# Altium PCB top_LM_v2.PcbDoc (part 5 of 5)
Units mil, origin at the board's own origin, x right, y up, seen from the top; angles counter-clockwise.
Board outline 13413.03 x 6200.01 mil, 2 copper layers (Top Layer, Bottom Layer); 718 components, 600 nets, 1834 pads, 540 vias.
Unrouted connection lines stored in the file: 144.
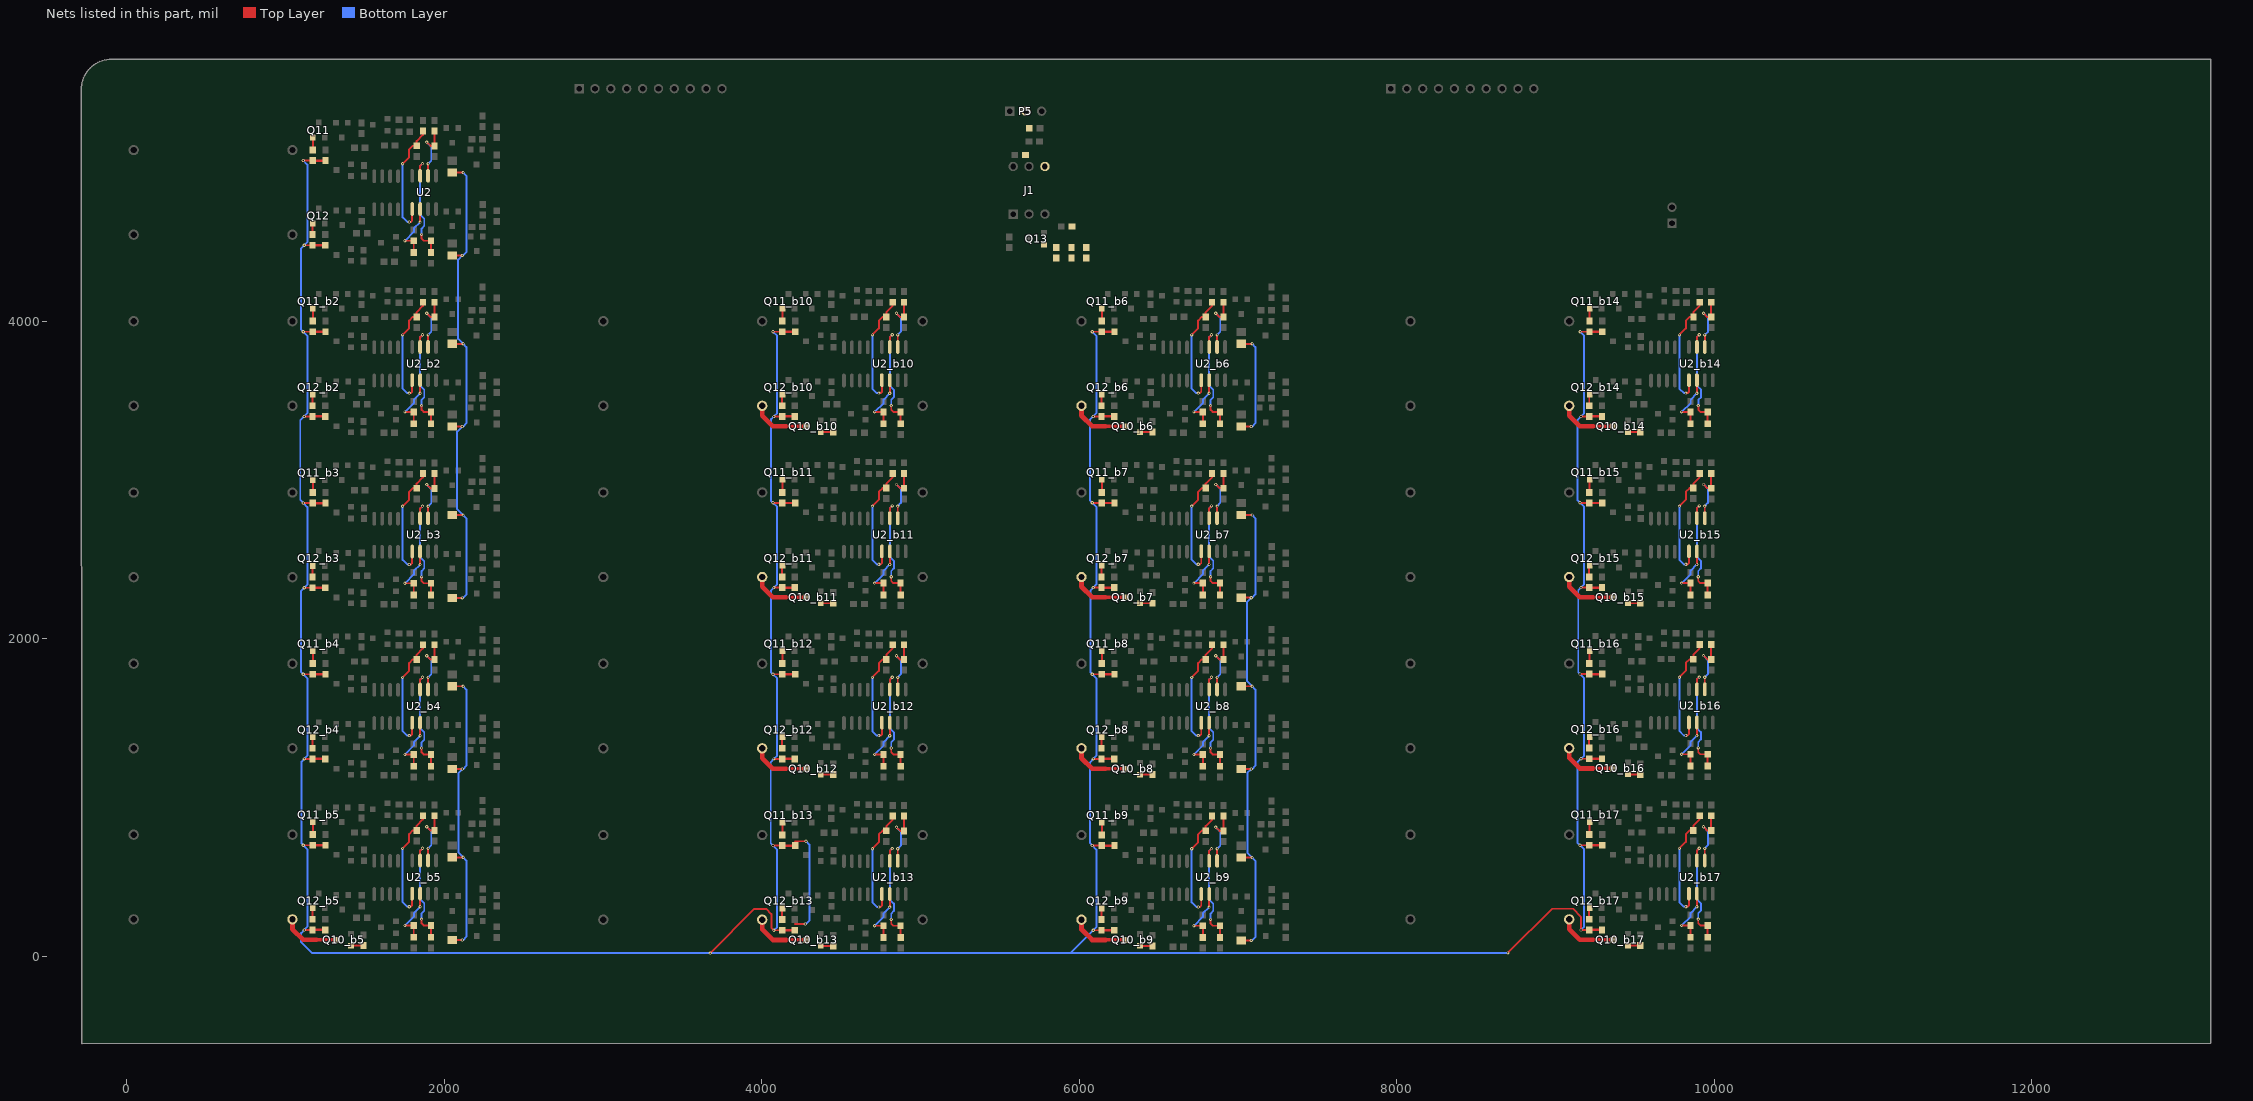
[diagram p5: the nets of this part, all layers, seen from the top]

## Via types
v1: diameter 20, hole 10, Top Layer to Bottom Layer, 453 vias
v2: diameter 40, hole 20, Top Layer to Bottom Layer, 51 vias
v3: diameter 30, hole 15, Top Layer to Bottom Layer, 34 vias
v4: diameter 125.98, hole 125.98, Top Layer to Bottom Layer, 2 vias

## Nets (pads, with @x,y where several pads share a name; then routed paths per layer and width w, separated by ;. In a path a pad name is that pad's centre, name@x,y a point inside that pad or via, vN(x,y) a via of type N, cw(c..) or ccw(c..) an arc to the next point about the centre after c; other vN are vias at no path point) (continued)
NetQ10_b5_1: Q10_b5.1 R23_b5.1 | length 78.1
  Top Layer w12: Q10_b5.1@1414.13,67.13 R23_b5.1@1492.19,67.13
NetQ10_b5_3: Q10_b5.3 R14_b5.1 | length 365.2
  Top Layer w22: 1196.87,104.54 Q10_b5.3@1321.61,104.53
  Top Layer w30: R14_b5.1@1045,232.26 1045,171.26 1111.72,104.54 1196.87,104.54
NetQ10_b6_1: Q10_b6.1 R23_b6.1 | length 78.1
  Top Layer w12: Q10_b6.1@6383.38,3301.13 R23_b6.1@6461.44,3301.13
NetQ10_b6_3: Q10_b6.3 R14_b6.1 | length 365.2
  Top Layer w22: 6166.12,3338.54 Q10_b6.3@6290.86,3338.54
  Top Layer w30: R14_b6.1@6014.25,3466.26 6014.25,3405.26 6080.98,3338.54 6166.12,3338.54
NetQ10_b7_1: Q10_b7.1 R23_b7.1 | length 78.1
  Top Layer w12: Q10_b7.1@6383.38,2223.13 R23_b7.1@6461.44,2223.13
NetQ10_b7_3: Q10_b7.3 R14_b7.1 | length 365.2
  Top Layer w22: 6166.12,2260.54 Q10_b7.3@6290.86,2260.53
  Top Layer w30: R14_b7.1@6014.25,2388.26 6014.25,2327.26 6080.98,2260.54 6166.12,2260.54
NetQ10_b8_1: Q10_b8.1 R23_b8.1 | length 78.1
  Top Layer w12: Q10_b8.1@6383.38,1144.13 R23_b8.1@6461.44,1144.13
NetQ10_b8_3: Q10_b8.3 R14_b8.1 | length 365.2
  Top Layer w22: 6166.12,1181.54 Q10_b8.3@6290.86,1181.54
  Top Layer w30: R14_b8.1@6014.25,1309.26 6014.25,1248.26 6080.98,1181.54 6166.12,1181.54
NetQ10_b9_1: Q10_b9.1 R23_b9.1 | length 78.1
  Top Layer w12: Q10_b9.1@6383.38,65.13 R23_b9.1@6461.44,65.13
NetQ10_b9_3: Q10_b9.3 R14_b9.1 | length 365.2
  Top Layer w22: 6166.12,102.54 Q10_b9.3@6290.86,102.53
  Top Layer w30: R14_b9.1@6014.25,230.26 6014.25,169.26 6080.98,102.54 6166.12,102.54
NetQ10_b10_1: Q10_b10.1 R23_b10.1 | length 78.1
  Top Layer w12: Q10_b10.1@4372.13,3301.13 R23_b10.1@4450.19,3301.13
NetQ10_b10_3: Q10_b10.3 R14_b10.1 | length 365.2
  Top Layer w22: 4154.87,3338.54 Q10_b10.3@4279.61,3338.53
  Top Layer w30: R14_b10.1@4003,3466.26 4003,3405.26 4069.72,3338.54 4154.87,3338.54
NetQ10_b11_1: Q10_b11.1 R23_b11.1 | length 78.1
  Top Layer w12: Q10_b11.1@4372.13,2223.13 R23_b11.1@4450.19,2223.13
NetQ10_b11_3: Q10_b11.3 R14_b11.1 | length 365.2
  Top Layer w22: 4154.87,2260.54 Q10_b11.3@4279.61,2260.54
  Top Layer w30: R14_b11.1@4003,2388.26 4003,2327.26 4069.72,2260.54 4154.87,2260.54
NetQ10_b12_1: Q10_b12.1 R23_b12.1 | length 78.1
  Top Layer w12: Q10_b12.1@4372.13,1144.13 R23_b12.1@4450.19,1144.13
NetQ10_b12_3: Q10_b12.3 R14_b12.1 | length 365.2
  Top Layer w22: 4154.87,1181.54 Q10_b12.3@4279.61,1181.54
  Top Layer w30: R14_b12.1@4003,1309.26 4003,1248.26 4069.72,1181.54 4154.87,1181.54
NetQ10_b13_1: Q10_b13.1 R23_b13.1 | length 78.1
  Top Layer w12: Q10_b13.1@4372.13,65.13 R23_b13.1@4450.19,65.13
NetQ10_b13_3: Q10_b13.3 R14_b13.1 | length 365.2
  Top Layer w22: 4154.87,102.54 Q10_b13.3@4279.61,102.54
  Top Layer w30: R14_b13.1@4003,230.26 4003,169.26 4069.72,102.54 4154.87,102.54
NetQ10_b14_1: Q10_b14.1 R23_b14.1 | length 78.1
  Top Layer w12: Q10_b14.1@9455.13,3301.13 R23_b14.1@9533.19,3301.13
NetQ10_b14_3: Q10_b14.3 R14_b14.1 | length 365.2
  Top Layer w22: 9237.87,3338.54 Q10_b14.3@9362.61,3338.54
  Top Layer w30: R14_b14.1@9086,3466.26 9086,3405.26 9152.72,3338.54 9237.87,3338.54
NetQ10_b15_1: Q10_b15.1 R23_b15.1 | length 78.1
  Top Layer w12: Q10_b15.1@9454.87,2223.13 R23_b15.1@9532.94,2223.13
NetQ10_b15_3: Q10_b15.3 R14_b15.1 | length 365.2
  Top Layer w22: 9237.61,2260.54 Q10_b15.3@9362.35,2260.54
  Top Layer w30: R14_b15.1@9085.75,2388.26 9085.75,2327.26 9152.47,2260.54 9237.61,2260.54
NetQ10_b16_1: Q10_b16.1 R23_b16.1 | length 78.1
  Top Layer w12: Q10_b16.1@9454.87,1145.13 R23_b16.1@9532.94,1145.13
NetQ10_b16_3: Q10_b16.3 R14_b16.1 | length 365.2
  Top Layer w22: 9237.61,1182.54 Q10_b16.3@9362.35,1182.54
  Top Layer w30: R14_b16.1@9085.75,1310.26 9085.75,1249.26 9152.47,1182.54 9237.61,1182.54
NetQ10_b17_1: Q10_b17.1 R23_b17.1 | length 78.1
  Top Layer w12: Q10_b17.1@9454.87,67.13 R23_b17.1@9532.94,67.13
NetQ10_b17_3: Q10_b17.3 R14_b17.1 | length 365.2
  Top Layer w22: 9237.61,104.54 Q10_b17.3@9362.35,104.54
  Top Layer w30: R14_b17.1@9085.75,232.26 9085.75,171.26 9152.47,104.54 9237.61,104.54
NetQ11_1: Q11.1 R39.2 | length 79.9
  Top Layer w12: R39.2@1172,5077.72 1173.6,5079.32 Q11.1@1173.6,5157
NetQ11_b2_1: Q11_b2.1 R39_b2.2 | length 79.9
  Top Layer w12: R39_b2.2@1172,3999.72 1173.6,4001.32 Q11_b2.1@1173.6,4079
NetQ11_b3_1: Q11_b3.1 R39_b3.2 | length 79.9
  Top Layer w12: R39_b3.2@1172,2920.72 1173.6,2922.32 Q11_b3.1@1173.6,3000
NetQ11_b4_1: Q11_b4.1 R39_b4.2 | length 79.9
  Top Layer w12: R39_b4.2@1172,1842.72 1173.6,1844.32 Q11_b4.1@1173.6,1922
NetQ11_b5_1: Q11_b5.1 R39_b5.2 | length 79.9
  Top Layer w12: R39_b5.2@1172,765.72 1173.6,767.32 Q11_b5.1@1173.6,845
NetQ11_b6_1: Q11_b6.1 R39_b6.2 | length 79.9
  Top Layer w12: R39_b6.2@6141.25,3999.72 6142.85,4001.32 Q11_b6.1@6142.85,4079
NetQ11_b7_1: Q11_b7.1 R39_b7.2 | length 79.9
  Top Layer w12: R39_b7.2@6141.25,2921.72 6142.85,2923.32 Q11_b7.1@6142.85,3001
NetQ11_b8_1: Q11_b8.1 R39_b8.2 | length 79.9
  Top Layer w12: R39_b8.2@6141.25,1842.72 6142.85,1844.32 Q11_b8.1@6142.85,1922
NetQ11_b9_1: Q11_b9.1 R39_b9.2 | length 79.9
  Top Layer w12: R39_b9.2@6141.25,763.72 6142.85,765.32 Q11_b9.1@6142.85,843
NetQ11_b10_1: Q11_b10.1 R39_b10.2 | length 79.9
  Top Layer w12: R39_b10.2@4130,3999.72 4131.6,4001.32 Q11_b10.1@4131.6,4079
NetQ11_b11_1: Q11_b11.1 R39_b11.2 | length 79.9
  Top Layer w12: R39_b11.2@4130,2921.72 4131.6,2923.32 Q11_b11.1@4131.6,3001
NetQ11_b12_1: Q11_b12.1 R39_b12.2 | length 79.9
  Top Layer w12: R39_b12.2@4130,1842.72 4131.6,1844.32 Q11_b12.1@4131.6,1922
NetQ11_b13_1: Q11_b13.1 R39_b13.2 | length 79.9
  Top Layer w12: R39_b13.2@4130,763.72 4131.6,765.32 Q11_b13.1@4131.6,843
NetQ11_b14_1: Q11_b14.1 R39_b14.2 | length 79.9
  Top Layer w12: R39_b14.2@9213,3999.72 9214.6,4001.32 Q11_b14.1@9214.6,4079
NetQ11_b15_1: Q11_b15.1 R39_b15.2 | length 79.9
  Top Layer w12: R39_b15.2@9212.75,2921.72 9214.35,2923.32 Q11_b15.1@9214.35,3001
NetQ11_b16_1: Q11_b16.1 R39_b16.2 | length 79.9
  Top Layer w12: R39_b16.2@9212.75,1843.72 9214.35,1845.32 Q11_b16.1@9214.35,1923
NetQ11_b17_1: Q11_b17.1 R39_b17.2 | length 79.9
  Top Layer w12: R39_b17.2@9212.75,765.72 9214.35,767.32 Q11_b17.1@9214.35,845
NetQ12_1: Q12.1 R41.1 | length 72.4
  Top Layer w12: R41.1@1171,4544.72 1171,4613.4 Q12.1@1173.6,4616
NetQ12_b2_1: Q12_b2.1 R41_b2.1 | length 72.4
  Top Layer w12: R41_b2.1@1171,3466.72 1171,3535.4 Q12_b2.1@1173.6,3538
NetQ12_b3_1: Q12_b3.1 R41_b3.1 | length 72.4
  Top Layer w12: R41_b3.1@1171,2387.72 1171,2456.4 Q12_b3.1@1173.6,2459
NetQ12_b4_1: Q12_b4.1 R41_b4.1 | length 72.4
  Top Layer w12: R41_b4.1@1171,1309.72 1171,1378.4 Q12_b4.1@1173.6,1381
NetQ12_b5_1: Q12_b5.1 R41_b5.1 | length 72.4
  Top Layer w12: R41_b5.1@1171,232.72 1171,301.4 Q12_b5.1@1173.6,304
NetQ12_b6_1: Q12_b6.1 R41_b6.1 | length 72.4
  Top Layer w12: R41_b6.1@6140.25,3466.72 6140.25,3535.4 Q12_b6.1@6142.85,3538
NetQ12_b7_1: Q12_b7.1 R41_b7.1 | length 72.4
  Top Layer w12: R41_b7.1@6140.25,2388.72 6140.25,2457.4 Q12_b7.1@6142.85,2460
NetQ12_b8_1: Q12_b8.1 R41_b8.1 | length 72.4
  Top Layer w12: R41_b8.1@6140.25,1309.72 6140.25,1378.4 Q12_b8.1@6142.85,1381
NetQ12_b9_1: Q12_b9.1 R41_b9.1 | length 72.4
  Top Layer w12: R41_b9.1@6140.25,230.72 6140.25,299.4 Q12_b9.1@6142.85,302
NetQ12_b10_1: Q12_b10.1 R41_b10.1 | length 72.4
  Top Layer w12: R41_b10.1@4129,3466.72 4129,3535.4 Q12_b10.1@4131.6,3538
NetQ12_b11_1: Q12_b11.1 R41_b11.1 | length 72.4
  Top Layer w12: R41_b11.1@4129,2388.72 4129,2457.4 Q12_b11.1@4131.6,2460
NetQ12_b12_1: Q12_b12.1 R41_b12.1 | length 72.4
  Top Layer w12: R41_b12.1@4129,1309.72 4129,1378.4 Q12_b12.1@4131.6,1381
NetQ12_b13_1: Q12_b13.1 R41_b13.1 | length 72.4
  Top Layer w12: R41_b13.1@4129,230.72 4129,299.4 Q12_b13.1@4131.6,302
NetQ12_b14_1: Q12_b14.1 R41_b14.1 | length 72.4
  Top Layer w12: R41_b14.1@9212,3466.72 9212,3535.4 Q12_b14.1@9214.6,3538
NetQ12_b15_1: Q12_b15.1 R41_b15.1 | length 72.4
  Top Layer w12: R41_b15.1@9211.75,2388.72 9211.75,2457.4 Q12_b15.1@9214.35,2460
NetQ12_b16_1: Q12_b16.1 R41_b16.1 | length 72.4
  Top Layer w12: R41_b16.1@9211.75,1310.72 9211.75,1379.4 Q12_b16.1@9214.35,1382
NetQ12_b17_1: Q12_b17.1 R41_b17.1 | length 72.4
  Top Layer w12: R41_b17.1@9211.75,232.72 9211.75,301.4 Q12_b17.1@9214.35,304
NetQ13_1: Q13.1 R28.2 R29.2 R30.2 R31.2
NetR43_2: R43.2 R44.1 U2.3 | length 718.1
  Top Layer w12: U2.3@1849,4915.02 1849,4977.26 v1(1864,4992.26) ; v1(1858,4546.26) 1858,4519.26 1871,4506.26 1916.54,4506.26 R43.2@1917,4505.8 R44.1@1917,4432.72
  Bottom Layer w12: v1(1858,4546.26) 1858,4582.26 1875,4599.26 1875,4645.26 1849,4671.26 1849,4977.26 v1(1864,4992.26)
NetR43_b2_2: R43_b2.2 R44_b2.1 U2_b2.3 | length 718.1
  Top Layer w12: U2_b2.3@1849,3837.02 1849,3899.26 v1(1864,3914.26) ; v1(1858,3468.26) 1858,3441.26 1871,3428.26 1916.54,3428.26 R43_b2.2@1917,3427.8 R44_b2.1@1917,3354.72
  Bottom Layer w12: v1(1858,3468.26) 1858,3504.26 1875,3521.26 1875,3567.26 1849,3593.26 1849,3899.26 v1(1864,3914.26)
NetR43_b3_2: R43_b3.2 R44_b3.1 U2_b3.3 | length 718.1
  Top Layer w12: U2_b3.3@1849,2758.02 1849,2820.26 v1(1864,2835.26) ; v1(1858,2389.26) 1858,2362.26 1871,2349.26 1916.54,2349.26 R43_b3.2@1917,2348.8 R44_b3.1@1917,2275.72
  Bottom Layer w12: v1(1858,2389.26) 1858,2425.26 1875,2442.26 1875,2488.26 1849,2514.26 1849,2820.26 v1(1864,2835.26)
NetR43_b4_2: R43_b4.2 R44_b4.1 U2_b4.3 | length 718.1
  Top Layer w12: U2_b4.3@1849,1680.02 1849,1742.26 v1(1864,1757.26) ; v1(1858,1311.26) 1858,1284.26 1871,1271.26 1916.54,1271.26 R43_b4.2@1917,1270.8 R44_b4.1@1917,1197.72
  Bottom Layer w12: v1(1858,1311.26) 1858,1347.26 1875,1364.26 1875,1410.26 1849,1436.26 1849,1742.26 v1(1864,1757.26)
NetR43_b5_2: R43_b5.2 R44_b5.1 U2_b5.3 | length 718.1
  Top Layer w12: U2_b5.3@1849,603.02 1849,665.26 v1(1864,680.26) ; v1(1858,234.26) 1858,207.26 1871,194.26 1916.54,194.26 R43_b5.2@1917,193.8 R44_b5.1@1917,120.72
  Bottom Layer w12: v1(1858,234.26) 1858,270.26 1875,287.26 1875,333.26 1849,359.26 1849,665.26 v1(1864,680.26)
NetR43_b6_2: R43_b6.2 R44_b6.1 U2_b6.3 | length 718.1
  Top Layer w12: U2_b6.3@6818.25,3837.02 6818.25,3899.26 v1(6833.25,3914.26) ; v1(6827.25,3468.26) 6827.25,3441.26 6840.25,3428.26 6885.79,3428.26 R43_b6.2@6886.25,3427.8 R44_b6.1@6886.25,3354.72
  Bottom Layer w12: v1(6827.25,3468.26) 6827.25,3504.26 6844.25,3521.26 6844.25,3567.26 6818.25,3593.26 6818.25,3899.26 v1(6833.25,3914.26)
NetR43_b7_2: R43_b7.2 R44_b7.1 U2_b7.3 | length 718.1
  Top Layer w12: U2_b7.3@6818.25,2759.02 6818.25,2821.26 v1(6833.25,2836.26) ; v1(6827.25,2390.26) 6827.25,2363.26 6840.25,2350.26 6885.79,2350.26 R43_b7.2@6886.25,2349.8 R44_b7.1@6886.25,2276.72
  Bottom Layer w12: v1(6827.25,2390.26) 6827.25,2426.26 6844.25,2443.26 6844.25,2489.26 6818.25,2515.26 6818.25,2821.26 v1(6833.25,2836.26)
NetR43_b8_2: R43_b8.2 R44_b8.1 U2_b8.3 | length 718.1
  Top Layer w12: U2_b8.3@6818.25,1680.02 6818.25,1742.26 v1(6833.25,1757.26) ; v1(6827.25,1311.26) 6827.25,1284.26 6840.25,1271.26 6885.79,1271.26 R43_b8.2@6886.25,1270.8 R44_b8.1@6886.25,1197.72
  Bottom Layer w12: v1(6827.25,1311.26) 6827.25,1347.26 6844.25,1364.26 6844.25,1410.26 6818.25,1436.26 6818.25,1742.26 v1(6833.25,1757.26)
NetR43_b9_2: R43_b9.2 R44_b9.1 U2_b9.3 | length 718.1
  Top Layer w12: U2_b9.3@6818.25,601.02 6818.25,663.26 v1(6833.25,678.26) ; v1(6827.25,232.26) 6827.25,205.26 6840.25,192.26 6885.79,192.26 R43_b9.2@6886.25,191.8 R44_b9.1@6886.25,118.72
  Bottom Layer w12: v1(6827.25,232.26) 6827.25,268.26 6844.25,285.26 6844.25,331.26 6818.25,357.26 6818.25,663.26 v1(6833.25,678.26)
NetR43_b10_2: R43_b10.2 R44_b10.1 U2_b10.3 | length 718.1
  Top Layer w12: U2_b10.3@4807,3837.02 4807,3899.26 v1(4822,3914.26) ; v1(4816,3468.26) 4816,3441.26 4829,3428.26 4874.54,3428.26 R43_b10.2@4875,3427.8 R44_b10.1@4875,3354.72
  Bottom Layer w12: v1(4816,3468.26) 4816,3504.26 4833,3521.26 4833,3567.26 4807,3593.26 4807,3899.26 v1(4822,3914.26)
NetR43_b11_2: R43_b11.2 R44_b11.1 U2_b11.3 | length 718.1
  Top Layer w12: U2_b11.3@4807,2759.02 4807,2821.26 v1(4822,2836.26) ; v1(4816,2390.26) 4816,2363.26 4829,2350.26 4874.54,2350.26 R43_b11.2@4875,2349.8 R44_b11.1@4875,2276.72
  Bottom Layer w12: v1(4816,2390.26) 4816,2426.26 4833,2443.26 4833,2489.26 4807,2515.26 4807,2821.26 v1(4822,2836.26)
NetR43_b12_2: R43_b12.2 R44_b12.1 U2_b12.3 | length 718.1
  Top Layer w12: U2_b12.3@4807,1680.02 4807,1742.26 v1(4822,1757.26) ; v1(4816,1311.26) 4816,1284.26 4829,1271.26 4874.54,1271.26 R43_b12.2@4875,1270.8 R44_b12.1@4875,1197.72
  Bottom Layer w12: v1(4816,1311.26) 4816,1347.26 4833,1364.26 4833,1410.26 4807,1436.26 4807,1742.26 v1(4822,1757.26)
NetR43_b13_2: R43_b13.2 R44_b13.1 U2_b13.3 | length 718.1
  Top Layer w12: U2_b13.3@4807,601.02 4807,663.26 v1(4822,678.26) ; v1(4816,232.26) 4816,205.26 4829,192.26 4874.54,192.26 R43_b13.2@4875,191.8 R44_b13.1@4875,118.72
  Bottom Layer w12: v1(4816,232.26) 4816,268.26 4833,285.26 4833,331.26 4807,357.26 4807,663.26 v1(4822,678.26)
NetR43_b14_2: R43_b14.2 R44_b14.1 U2_b14.3 | length 718.1
  Top Layer w12: U2_b14.3@9890,3837.02 9890,3899.26 v1(9905,3914.26) ; v1(9899,3468.26) 9899,3441.26 9912,3428.26 9957.54,3428.26 R43_b14.2@9958,3427.8 R44_b14.1@9958,3354.72
  Bottom Layer w12: v1(9899,3468.26) 9899,3504.26 9916,3521.26 9916,3567.26 9890,3593.26 9890,3899.26 v1(9905,3914.26)
NetR43_b15_2: R43_b15.2 R44_b15.1 U2_b15.3 | length 718.1
  Top Layer w12: U2_b15.3@9889.75,2759.02 9889.75,2821.26 v1(9904.75,2836.26) ; v1(9898.75,2390.26) 9898.75,2363.26 9911.75,2350.26 9957.28,2350.26 R43_b15.2@9957.75,2349.8 R44_b15.1@9957.75,2276.72
  Bottom Layer w12: v1(9898.75,2390.26) 9898.75,2426.26 9915.75,2443.26 9915.75,2489.26 9889.75,2515.26 9889.75,2821.26 v1(9904.75,2836.26)
NetR43_b16_2: R43_b16.2 R44_b16.1 U2_b16.3 | length 718.1
  Top Layer w12: U2_b16.3@9889.75,1681.02 9889.75,1743.26 v1(9904.75,1758.26) ; v1(9898.75,1312.26) 9898.75,1285.26 9911.75,1272.26 9957.28,1272.26 R43_b16.2@9957.75,1271.8 R44_b16.1@9957.75,1198.72
  Bottom Layer w12: v1(9898.75,1312.26) 9898.75,1348.26 9915.75,1365.26 9915.75,1411.26 9889.75,1437.26 9889.75,1743.26 v1(9904.75,1758.26)
NetR43_b17_2: R43_b17.2 R44_b17.1 U2_b17.3 | length 718.1
  Top Layer w12: U2_b17.3@9889.75,603.02 9889.75,665.26 v1(9904.75,680.26) ; v1(9898.75,234.26) 9898.75,207.26 9911.75,194.26 9957.28,194.26 R43_b17.2@9957.75,193.8 R44_b17.1@9957.75,120.72
  Bottom Layer w12: v1(9898.75,234.26) 9898.75,270.26 9915.75,287.26 9915.75,333.26 9889.75,359.26 9889.75,665.26 v1(9904.75,680.26)
NetR45_2: R45.2 R46.1 U2.2 | length 382.9
  Top Layer w12: v1(1891,5127.26) 1914.54,5103.72 R46.1@1939,5103.72 R45.2@1939,5196.8 ; U2.2@1899,4915.02 v1(1899,4991.26)
  Bottom Layer w12: v1(1891,5127.26) 1919,5099.26 1919,5011.26 v1(1899,4991.26)
NetR45_b2_2: R45_b2.2 R46_b2.1 U2_b2.2 | length 382.9
  Top Layer w12: v1(1891,4049.26) 1914.54,4025.72 R46_b2.1@1939,4025.72 R45_b2.2@1939,4118.8 ; U2_b2.2@1899,3837.02 v1(1899,3913.26)
  Bottom Layer w12: v1(1891,4049.26) 1919,4021.26 1919,3933.26 v1(1899,3913.26)
NetR45_b3_2: R45_b3.2 R46_b3.1 U2_b3.2 | length 382.9
  Top Layer w12: v1(1891,2970.26) 1914.54,2946.72 R46_b3.1@1939,2946.72 R45_b3.2@1939,3039.8 ; U2_b3.2@1899,2758.02 v1(1899,2834.26)
  Bottom Layer w12: v1(1891,2970.26) 1919,2942.26 1919,2854.26 v1(1899,2834.26)
NetR45_b4_2: R45_b4.2 R46_b4.1 U2_b4.2 | length 382.9
  Top Layer w12: v1(1891,1892.26) 1914.54,1868.72 R46_b4.1@1939,1868.72 R45_b4.2@1939,1961.8 ; U2_b4.2@1899,1680.02 v1(1899,1756.26)
  Bottom Layer w12: v1(1891,1892.26) 1919,1864.26 1919,1776.26 v1(1899,1756.26)
NetR45_b5_2: R45_b5.2 R46_b5.1 U2_b5.2 | length 382.9
  Top Layer w12: v1(1891,815.26) 1914.54,791.72 R46_b5.1@1939,791.72 R45_b5.2@1939,884.8 ; U2_b5.2@1899,603.02 v1(1899,679.26)
  Bottom Layer w12: v1(1891,815.26) 1919,787.26 1919,699.26 v1(1899,679.26)
NetR45_b6_2: R45_b6.2 R46_b6.1 U2_b6.2 | length 382.9
  Top Layer w12: v1(6860.25,4049.26) 6883.79,4025.72 R46_b6.1@6908.25,4025.72 R45_b6.2@6908.25,4118.8 ; U2_b6.2@6868.25,3837.02 v1(6868.25,3913.26)
  Bottom Layer w12: v1(6860.25,4049.26) 6888.25,4021.26 6888.25,3933.26 v1(6868.25,3913.26)
NetR45_b7_2: R45_b7.2 R46_b7.1 U2_b7.2 | length 382.9
  Top Layer w12: v1(6860.25,2971.26) 6883.79,2947.72 R46_b7.1@6908.25,2947.72 R45_b7.2@6908.25,3040.8 ; U2_b7.2@6868.25,2759.02 v1(6868.25,2835.26)
  Bottom Layer w12: v1(6860.25,2971.26) 6888.25,2943.26 6888.25,2855.26 v1(6868.25,2835.26)
NetR45_b8_2: R45_b8.2 R46_b8.1 U2_b8.2 | length 382.9
  Top Layer w12: v1(6860.25,1892.26) 6883.79,1868.72 R46_b8.1@6908.25,1868.72 R45_b8.2@6908.25,1961.8 ; U2_b8.2@6868.25,1680.02 v1(6868.25,1756.26)
  Bottom Layer w12: v1(6860.25,1892.26) 6888.25,1864.26 6888.25,1776.26 v1(6868.25,1756.26)
NetR45_b9_2: R45_b9.2 R46_b9.1 U2_b9.2 | length 382.9
  Top Layer w12: v1(6860.25,813.26) 6883.79,789.72 R46_b9.1@6908.25,789.72 R45_b9.2@6908.25,882.8 ; U2_b9.2@6868.25,601.02 v1(6868.25,677.26)
  Bottom Layer w12: v1(6860.25,813.26) 6888.25,785.26 6888.25,697.26 v1(6868.25,677.26)
NetR45_b10_2: R45_b10.2 R46_b10.1 U2_b10.2 | length 382.9
  Top Layer w12: v1(4849,4049.26) 4872.54,4025.72 R46_b10.1@4897,4025.72 R45_b10.2@4897,4118.8 ; U2_b10.2@4857,3837.02 v1(4857,3913.26)
  Bottom Layer w12: v1(4849,4049.26) 4877,4021.26 4877,3933.26 v1(4857,3913.26)
NetR45_b11_2: R45_b11.2 R46_b11.1 U2_b11.2 | length 382.9
  Top Layer w12: v1(4849,2971.26) 4872.54,2947.72 R46_b11.1@4897,2947.72 R45_b11.2@4897,3040.8 ; U2_b11.2@4857,2759.02 v1(4857,2835.26)
  Bottom Layer w12: v1(4849,2971.26) 4877,2943.26 4877,2855.26 v1(4857,2835.26)
NetR45_b12_2: R45_b12.2 R46_b12.1 U2_b12.2 | length 382.9
  Top Layer w12: v1(4849,1892.26) 4872.54,1868.72 R46_b12.1@4897,1868.72 R45_b12.2@4897,1961.8 ; U2_b12.2@4857,1680.02 v1(4857,1756.26)
  Bottom Layer w12: v1(4849,1892.26) 4877,1864.26 4877,1776.26 v1(4857,1756.26)
NetR45_b13_2: R45_b13.2 R46_b13.1 U2_b13.2 | length 382.9
  Top Layer w12: v1(4849,813.26) 4872.54,789.72 R46_b13.1@4897,789.72 R45_b13.2@4897,882.8 ; U2_b13.2@4857,601.02 v1(4857,677.26)
  Bottom Layer w12: v1(4849,813.26) 4877,785.26 4877,697.26 v1(4857,677.26)
NetR45_b14_2: R45_b14.2 R46_b14.1 U2_b14.2 | length 382.9
  Top Layer w12: v1(9932,4049.26) 9955.54,4025.72 R46_b14.1@9980,4025.72 R45_b14.2@9980,4118.8 ; U2_b14.2@9940,3837.02 v1(9940,3913.26)
  Bottom Layer w12: v1(9932,4049.26) 9960,4021.26 9960,3933.26 v1(9940,3913.26)
NetR45_b15_2: R45_b15.2 R46_b15.1 U2_b15.2 | length 382.9
  Top Layer w12: v1(9931.75,2971.26) 9955.28,2947.72 R46_b15.1@9979.75,2947.72 R45_b15.2@9979.75,3040.8 ; U2_b15.2@9939.75,2759.02 v1(9939.75,2835.26)
  Bottom Layer w12: v1(9931.75,2971.26) 9959.75,2943.26 9959.75,2855.26 v1(9939.75,2835.26)
NetR45_b16_2: R45_b16.2 R46_b16.1 U2_b16.2 | length 382.9
  Top Layer w12: v1(9931.75,1893.26) 9955.28,1869.72 R46_b16.1@9979.75,1869.72 R45_b16.2@9979.75,1962.8 ; U2_b16.2@9939.75,1681.02 v1(9939.75,1757.26)
  Bottom Layer w12: v1(9931.75,1893.26) 9959.75,1865.26 9959.75,1777.26 v1(9939.75,1757.26)
NetR45_b17_2: R45_b17.2 R46_b17.1 U2_b17.2 | length 382.9
  Top Layer w12: v1(9931.75,815.26) 9955.28,791.72 R46_b17.1@9979.75,791.72 R45_b17.2@9979.75,884.8 ; U2_b17.2@9939.75,603.02 v1(9939.75,679.26)
  Bottom Layer w12: v1(9931.75,815.26) 9959.75,787.26 9959.75,699.26 v1(9939.75,679.26)
NetR47_2: R47.2 R48.1 U2.5 | length 759.5
  Top Layer w12: v1(1739,4991.26) 1780,5032.26 1780,5081.26 1803.46,5104.72 R48.1@1827,5104.72 1827,5133.26 1867,5173.26 R47.2@1867,5196.8 ; v1(1780,4624.26) 1791,4624.26 1799,4632.26 U2.5@1799,4706.05
  Bottom Layer w12: v1(1739,4991.26) 1739,4653.26 1768,4624.26 v1(1780,4624.26)
NetR47_b2_2: R47_b2.2 R48_b2.1 U2_b2.5 | length 759.5
  Top Layer w12: v1(1739,3913.26) 1780,3954.26 1780,4003.26 1803.46,4026.72 R48_b2.1@1827,4026.72 1827,4055.26 1867,4095.26 R47_b2.2@1867,4118.8 ; v1(1780,3546.26) 1791,3546.26 1799,3554.26 U2_b2.5@1799,3628.05
  Bottom Layer w12: v1(1739,3913.26) 1739,3575.26 1768,3546.26 v1(1780,3546.26)
NetR47_b3_2: R47_b3.2 R48_b3.1 U2_b3.5 | length 759.5
  Top Layer w12: v1(1739,2834.26) 1780,2875.26 1780,2924.26 1803.46,2947.72 R48_b3.1@1827,2947.72 1827,2976.26 1867,3016.26 R47_b3.2@1867,3039.8 ; v1(1780,2467.26) 1791,2467.26 1799,2475.26 U2_b3.5@1799,2549.05
  Bottom Layer w12: v1(1739,2834.26) 1739,2496.26 1768,2467.26 v1(1780,2467.26)
NetR47_b4_2: R47_b4.2 R48_b4.1 U2_b4.5 | length 759.5
  Top Layer w12: v1(1739,1756.26) 1780,1797.26 1780,1846.26 1803.46,1869.72 R48_b4.1@1827,1869.72 1827,1898.26 1867,1938.26 R47_b4.2@1867,1961.8 ; v1(1780,1389.26) 1791,1389.26 1799,1397.26 U2_b4.5@1799,1471.05
  Bottom Layer w12: v1(1739,1756.26) 1739,1418.26 1768,1389.26 v1(1780,1389.26)
NetR47_b5_2: R47_b5.2 R48_b5.1 U2_b5.5 | length 759.5
  Top Layer w12: v1(1739,679.26) 1780,720.26 1780,769.26 1803.46,792.72 R48_b5.1@1827,792.72 1827,821.26 1867,861.26 R47_b5.2@1867,884.8 ; v1(1780,312.26) 1791,312.26 1799,320.26 U2_b5.5@1799,394.05
  Bottom Layer w12: v1(1739,679.26) 1739,341.26 1768,312.26 v1(1780,312.26)
NetR47_b6_2: R47_b6.2 R48_b6.1 U2_b6.5 | length 759.5
  Top Layer w12: v1(6708.25,3913.26) 6749.25,3954.26 6749.25,4003.26 6772.72,4026.72 R48_b6.1@6796.25,4026.72 6796.25,4055.26 6836.25,4095.26 R47_b6.2@6836.25,4118.8 ; v1(6749.25,3546.26) 6760.25,3546.26 6768.25,3554.26 U2_b6.5@6768.25,3628.05
  Bottom Layer w12: v1(6708.25,3913.26) 6708.25,3575.26 6737.25,3546.26 v1(6749.25,3546.26)
NetR47_b7_2: R47_b7.2 R48_b7.1 U2_b7.5 | length 759.5
  Top Layer w12: v1(6708.25,2835.26) 6749.25,2876.26 6749.25,2925.26 6772.72,2948.72 R48_b7.1@6796.25,2948.72 6796.25,2977.26 6836.25,3017.26 R47_b7.2@6836.25,3040.8 ; v1(6749.25,2468.26) 6760.25,2468.26 6768.25,2476.26 U2_b7.5@6768.25,2550.05
  Bottom Layer w12: v1(6708.25,2835.26) 6708.25,2497.26 6737.25,2468.26 v1(6749.25,2468.26)
NetR47_b8_2: R47_b8.2 R48_b8.1 U2_b8.5 | length 759.5
  Top Layer w12: v1(6708.25,1756.26) 6749.25,1797.26 6749.25,1846.26 6772.72,1869.72 R48_b8.1@6796.25,1869.72 6796.25,1898.26 6836.25,1938.26 R47_b8.2@6836.25,1961.8 ; v1(6749.25,1389.26) 6760.25,1389.26 6768.25,1397.26 U2_b8.5@6768.25,1471.05
  Bottom Layer w12: v1(6708.25,1756.26) 6708.25,1418.26 6737.25,1389.26 v1(6749.25,1389.26)
NetR47_b9_2: R47_b9.2 R48_b9.1 U2_b9.5 | length 759.5
  Top Layer w12: v1(6708.25,677.26) 6749.25,718.26 6749.25,767.26 6772.72,790.72 R48_b9.1@6796.25,790.72 6796.25,819.26 6836.25,859.26 R47_b9.2@6836.25,882.8 ; v1(6749.25,310.26) 6760.25,310.26 6768.25,318.26 U2_b9.5@6768.25,392.05
  Bottom Layer w12: v1(6708.25,677.26) 6708.25,339.26 6737.25,310.26 v1(6749.25,310.26)
NetR47_b10_2: R47_b10.2 R48_b10.1 U2_b10.5 | length 759.5
  Top Layer w12: v1(4697,3913.26) 4738,3954.26 4738,4003.26 4761.46,4026.72 R48_b10.1@4785,4026.72 4785,4055.26 4825,4095.26 R47_b10.2@4825,4118.8 ; v1(4738,3546.26) 4749,3546.26 4757,3554.26 U2_b10.5@4757,3628.05
  Bottom Layer w12: v1(4697,3913.26) 4697,3575.26 4726,3546.26 v1(4738,3546.26)
NetR47_b11_2: R47_b11.2 R48_b11.1 U2_b11.5 | length 759.5
  Top Layer w12: v1(4697,2835.26) 4738,2876.26 4738,2925.26 4761.46,2948.72 R48_b11.1@4785,2948.72 4785,2977.26 4825,3017.26 R47_b11.2@4825,3040.8 ; v1(4738,2468.26) 4749,2468.26 4757,2476.26 U2_b11.5@4757,2550.05
  Bottom Layer w12: v1(4697,2835.26) 4697,2497.26 4726,2468.26 v1(4738,2468.26)
NetR47_b12_2: R47_b12.2 R48_b12.1 U2_b12.5 | length 759.5
  Top Layer w12: v1(4697,1756.26) 4738,1797.26 4738,1846.26 4761.46,1869.72 R48_b12.1@4785,1869.72 4785,1898.26 4825,1938.26 R47_b12.2@4825,1961.8 ; v1(4738,1389.26) 4749,1389.26 4757,1397.26 U2_b12.5@4757,1471.05
  Bottom Layer w12: v1(4697,1756.26) 4697,1418.26 4726,1389.26 v1(4738,1389.26)
NetR47_b13_2: R47_b13.2 R48_b13.1 U2_b13.5 | length 759.5
  Top Layer w12: v1(4697,677.26) 4738,718.26 4738,767.26 4761.46,790.72 R48_b13.1@4785,790.72 4785,819.26 4825,859.26 R47_b13.2@4825,882.8 ; v1(4738,310.26) 4749,310.26 4757,318.26 U2_b13.5@4757,392.05
  Bottom Layer w12: v1(4697,677.26) 4697,339.26 4726,310.26 v1(4738,310.26)
NetR47_b14_2: R47_b14.2 R48_b14.1 U2_b14.5 | length 759.5
  Top Layer w12: v1(9780,3913.26) 9821,3954.26 9821,4003.26 9844.46,4026.72 R48_b14.1@9868,4026.72 9868,4055.26 9908,4095.26 R47_b14.2@9908,4118.8 ; v1(9821,3546.26) 9832,3546.26 9840,3554.26 U2_b14.5@9840,3628.05
  Bottom Layer w12: v1(9780,3913.26) 9780,3575.26 9809,3546.26 v1(9821,3546.26)
NetR47_b15_2: R47_b15.2 R48_b15.1 U2_b15.5 | length 759.5
  Top Layer w12: v1(9779.75,2835.26) 9820.75,2876.26 9820.75,2925.26 9844.21,2948.72 R48_b15.1@9867.75,2948.72 9867.75,2977.26 9907.75,3017.26 R47_b15.2@9907.75,3040.8 ; v1(9820.75,2468.26) 9831.75,2468.26 9839.75,2476.26 U2_b15.5@9839.75,2550.05
  Bottom Layer w12: v1(9779.75,2835.26) 9779.75,2497.26 9808.75,2468.26 v1(9820.75,2468.26)
NetR47_b16_2: R47_b16.2 R48_b16.1 U2_b16.5 | length 759.5
  Top Layer w12: v1(9779.75,1757.26) 9820.75,1798.26 9820.75,1847.26 9844.21,1870.72 R48_b16.1@9867.75,1870.72 9867.75,1899.26 9907.75,1939.26 R47_b16.2@9907.75,1962.8 ; v1(9820.75,1390.26) 9831.75,1390.26 9839.75,1398.26 U2_b16.5@9839.75,1472.05
  Bottom Layer w12: v1(9779.75,1757.26) 9779.75,1419.26 9808.75,1390.26 v1(9820.75,1390.26)
NetR47_b17_2: R47_b17.2 R48_b17.1 U2_b17.5 | length 759.5
  Top Layer w12: v1(9779.75,679.26) 9820.75,720.26 9820.75,769.26 9844.21,792.72 R48_b17.1@9867.75,792.72 9867.75,821.26 9907.75,861.26 R47_b17.2@9907.75,884.8 ; v1(9820.75,312.26) 9831.75,312.26 9839.75,320.26 U2_b17.5@9839.75,394.05
  Bottom Layer w12: v1(9779.75,679.26) 9779.75,341.26 9808.75,312.26 v1(9820.75,312.26)
NetR49_2: R49.2 R50.1 U2.6 | length 370.4
  Top Layer w12: v1(1753,4506.26) 1808.54,4506.26 R49.2@1809,4505.8 R50.1@1809,4431.72 ; v1(1849,4623.26) U2.6@1849,4706.05
  Bottom Layer w12: v1(1753,4506.26) 1754,4506.26 1810,4562.26 1810,4584.26 v1(1849,4623.26)
NetR49_b2_2: R49_b2.2 R50_b2.1 U2_b2.6 | length 370.4
  Top Layer w12: v1(1753,3428.26) 1808.54,3428.26 R49_b2.2@1809,3427.8 R50_b2.1@1809,3353.72 ; v1(1849,3545.26) U2_b2.6@1849,3628.05
  Bottom Layer w12: v1(1753,3428.26) 1754,3428.26 1810,3484.26 1810,3506.26 v1(1849,3545.26)
NetR49_b3_2: R49_b3.2 R50_b3.1 U2_b3.6 | length 370.4
  Top Layer w12: v1(1753,2349.26) 1808.54,2349.26 R49_b3.2@1809,2348.8 R50_b3.1@1809,2274.72 ; v1(1849,2466.26) U2_b3.6@1849,2549.05
  Bottom Layer w12: v1(1753,2349.26) 1754,2349.26 1810,2405.26 1810,2427.26 v1(1849,2466.26)
NetR49_b4_2: R49_b4.2 R50_b4.1 U2_b4.6 | length 370.4
  Top Layer w12: v1(1753,1271.26) 1808.54,1271.26 R49_b4.2@1809,1270.8 R50_b4.1@1809,1196.72 ; v1(1849,1388.26) U2_b4.6@1849,1471.05
  Bottom Layer w12: v1(1753,1271.26) 1754,1271.26 1810,1327.26 1810,1349.26 v1(1849,1388.26)
NetR49_b5_2: R49_b5.2 R50_b5.1 U2_b5.6 | length 370.4
  Top Layer w12: v1(1753,194.26) 1808.54,194.26 R49_b5.2@1809,193.8 R50_b5.1@1809,119.72 ; v1(1849,311.26) U2_b5.6@1849,394.05
  Bottom Layer w12: v1(1753,194.26) 1754,194.26 1810,250.26 1810,272.26 v1(1849,311.26)
NetR49_b6_2: R49_b6.2 R50_b6.1 U2_b6.6 | length 370.4
  Top Layer w12: v1(6722.25,3428.26) 6777.79,3428.26 R49_b6.2@6778.25,3427.8 R50_b6.1@6778.25,3353.72 ; v1(6818.25,3545.26) U2_b6.6@6818.25,3628.05
  Bottom Layer w12: v1(6722.25,3428.26) 6723.25,3428.26 6779.25,3484.26 6779.25,3506.26 v1(6818.25,3545.26)
NetR49_b7_2: R49_b7.2 R50_b7.1 U2_b7.6 | length 370.4
  Top Layer w12: v1(6722.25,2350.26) 6777.79,2350.26 R49_b7.2@6778.25,2349.8 R50_b7.1@6778.25,2275.72 ; v1(6818.25,2467.26) U2_b7.6@6818.25,2550.05
  Bottom Layer w12: v1(6722.25,2350.26) 6723.25,2350.26 6779.25,2406.26 6779.25,2428.26 v1(6818.25,2467.26)
NetR49_b8_2: R49_b8.2 R50_b8.1 U2_b8.6 | length 370.4
  Top Layer w12: v1(6722.25,1271.26) 6777.79,1271.26 R49_b8.2@6778.25,1270.8 R50_b8.1@6778.25,1196.72 ; v1(6818.25,1388.26) U2_b8.6@6818.25,1471.05
  Bottom Layer w12: v1(6722.25,1271.26) 6723.25,1271.26 6779.25,1327.26 6779.25,1349.26 v1(6818.25,1388.26)
NetR49_b9_2: R49_b9.2 R50_b9.1 U2_b9.6 | length 370.4
  Top Layer w12: v1(6722.25,192.26) 6777.79,192.26 R49_b9.2@6778.25,191.8 R50_b9.1@6778.25,117.72 ; v1(6818.25,309.26) U2_b9.6@6818.25,392.05
  Bottom Layer w12: v1(6722.25,192.26) 6723.25,192.26 6779.25,248.26 6779.25,270.26 v1(6818.25,309.26)
NetR49_b10_2: R49_b10.2 R50_b10.1 U2_b10.6 | length 370.4
  Top Layer w12: v1(4711,3428.26) 4766.54,3428.26 R49_b10.2@4767,3427.8 R50_b10.1@4767,3353.72 ; v1(4807,3545.26) U2_b10.6@4807,3628.05
  Bottom Layer w12: v1(4711,3428.26) 4712,3428.26 4768,3484.26 4768,3506.26 v1(4807,3545.26)
NetR49_b11_2: R49_b11.2 R50_b11.1 U2_b11.6 | length 370.4
  Top Layer w12: v1(4711,2350.26) 4766.54,2350.26 R49_b11.2@4767,2349.8 R50_b11.1@4767,2275.72 ; v1(4807,2467.26) U2_b11.6@4807,2550.05
  Bottom Layer w12: v1(4711,2350.26) 4712,2350.26 4768,2406.26 4768,2428.26 v1(4807,2467.26)
NetR49_b12_2: R49_b12.2 R50_b12.1 U2_b12.6 | length 370.4
  Top Layer w12: v1(4711,1271.26) 4766.54,1271.26 R49_b12.2@4767,1270.8 R50_b12.1@4767,1196.72 ; v1(4807,1388.26) U2_b12.6@4807,1471.05
  Bottom Layer w12: v1(4711,1271.26) 4712,1271.26 4768,1327.26 4768,1349.26 v1(4807,1388.26)
NetR49_b13_2: R49_b13.2 R50_b13.1 U2_b13.6 | length 370.4
  Top Layer w12: v1(4711,192.26) 4766.54,192.26 R49_b13.2@4767,191.8 R50_b13.1@4767,117.72 ; v1(4807,309.26) U2_b13.6@4807,392.05
  Bottom Layer w12: v1(4711,192.26) 4712,192.26 4768,248.26 4768,270.26 v1(4807,309.26)
NetR49_b14_2: R49_b14.2 R50_b14.1 U2_b14.6 | length 370.4
  Top Layer w12: v1(9794,3428.26) 9849.54,3428.26 R49_b14.2@9850,3427.8 R50_b14.1@9850,3353.72 ; v1(9890,3545.26) U2_b14.6@9890,3628.05
  Bottom Layer w12: v1(9794,3428.26) 9795,3428.26 9851,3484.26 9851,3506.26 v1(9890,3545.26)
NetR49_b15_2: R49_b15.2 R50_b15.1 U2_b15.6 | length 370.4
  Top Layer w12: v1(9793.75,2350.26) 9849.28,2350.26 R49_b15.2@9849.75,2349.8 R50_b15.1@9849.75,2275.72 ; v1(9889.75,2467.26) U2_b15.6@9889.75,2550.05
  Bottom Layer w12: v1(9793.75,2350.26) 9794.75,2350.26 9850.75,2406.26 9850.75,2428.26 v1(9889.75,2467.26)
NetR49_b16_2: R49_b16.2 R50_b16.1 U2_b16.6 | length 370.4
  Top Layer w12: v1(9793.75,1272.26) 9849.28,1272.26 R49_b16.2@9849.75,1271.8 R50_b16.1@9849.75,1197.72 ; v1(9889.75,1389.26) U2_b16.6@9889.75,1472.05
  Bottom Layer w12: v1(9793.75,1272.26) 9794.75,1272.26 9850.75,1328.26 9850.75,1350.26 v1(9889.75,1389.26)
NetR49_b17_2: R49_b17.2 R50_b17.1 U2_b17.6 | length 370.4
  Top Layer w12: v1(9793.75,194.26) 9849.28,194.26 R49_b17.2@9849.75,193.8 R50_b17.1@9849.75,119.72 ; v1(9889.75,311.26) U2_b17.6@9889.75,394.05
  Bottom Layer w12: v1(9793.75,194.26) 9794.75,194.26 9850.75,250.26 9850.75,272.26 v1(9889.75,311.26)
OUT2: D1.2 D1_b2.2 D1_b3.2 D2.2 D2_b2.2 D2_b3.2 R29.1 | length 3195.6
  Top Layer w12: D2_b3.2@2050.87,2257.13 v1(2114.46,2257.13) ; D1_b3.2@2050.87,2778.13 v1(2119.46,2778.13) ; D2_b2.2@2050.87,3336.13 v1(2114.46,3336.13) ; D1_b2.2@2050.87,3857.13 v1(2119.46,3857.13) ; D2.2@2050.87,4414.13 v1(2114.46,4414.13) ; D1.2@2050.87,4935.13 v1(2119.46,4935.13)
  Bottom Layer w12: v1(2114.46,2257.13) 2119.75,2257.13 2140.61,2278 2140.61,2756.98 v1(2119.46,2778.13) 2082,2815.6 2082,3303.67 v1(2114.46,3336.13) 2119.75,3336.13 2140.61,3357 2140.61,3835.98 v1(2119.46,3857.13) 2088,3888.6 2088,4387.67 v1(2114.46,4414.13) 2119.75,4414.13 2140.61,4435 2140.61,4913.98 v1(2119.46,4935.13)
OUT5: D1_b4.2 D1_b5.2 D1_b6.2 D2_b4.2 D2_b5.2 D2_b6.2 R30.1 | length 2605.2
  Top Layer w12: D2_b5.2@2050.87,102.13 v1(2114.46,102.13) ; D1_b5.2@2050.87,623.13 v1(2119.46,623.13) ; D2_b4.2@2050.87,1179.13 v1(2114.46,1179.13) ; D1_b4.2@2050.87,1700.13 v1(2119.46,1700.13) ; D2_b6.2@7020.12,3336.13 v1(7083.72,3336.13) ; D1_b6.2@7020.12,3857.13 v1(7088.72,3857.13)
  Bottom Layer w12: v1(2114.46,102.13) 2119.75,102.13 2140.61,123 2140.61,601.98 v1(2119.46,623.13) 2091,651.6 2091,1155.67 v1(2114.46,1179.13) 2119.75,1179.13 2140.61,1200 2140.61,1678.98 v1(2119.46,1700.13) ; v1(7083.72,3336.13) 7089,3336.13 7109.87,3357 7109.87,3835.98 v1(7088.72,3857.13)
OUT8: D1_b7.2 D1_b8.2 D1_b9.2 D2_b7.2 D2_b8.2 D2_b9.2 R31.1 | length 3191.3
  Top Layer w12: D2_b9.2@7020.12,100.13 v1(7083.72,100.13) ; D1_b9.2@7020.12,621.13 v1(7088.72,621.13) ; D2_b8.2@7020.12,1179.13 v1(7083.72,1179.13) ; D1_b8.2@7020.12,1700.13 v1(7088.72,1700.13) ; D2_b7.2@7020.12,2258.13 v1(7083.72,2258.13) ; D1_b7.2@7020.12,2779.13 v1(7088.72,2779.13)
  Bottom Layer w12: v1(7083.72,100.13) 7089,100.13 7109.87,121 7109.87,599.98 v1(7088.72,621.13) 7059,650.85 7059,1156 7082.13,1179.13 v1(7083.72,1179.13) 7089,1179.13 7109.87,1200 7109.87,1678.98 v1(7088.72,1700.13) 7057,1731.85 7057,2231.42 v1(7083.72,2258.13) 7089,2258.13 7109.87,2279 7109.87,2757.98 v1(7088.72,2779.13)
OUT9: 
OUT10: 
OUT11: 
OUT12: 
OUT13: 
OUT14:  | length 675.9
  Top Layer w12: 4210.87,203.13 v1(4274.46,203.13) ; 4210.87,724.13 v1(4279.46,724.13)
  Bottom Layer w12: v1(4274.46,203.13) 4279.75,203.13 4300.61,224 4300.61,702.98 v1(4279.46,724.13)
OUT15: 
OUT16: 
OUT_G16: C1.2 J1.4 P5.2 R26.2 R39.1 R39_b2.1 R39_b3.1 R39_b4.1 R39_b5.1 R39_b6.1 R39_b7.1 R39_b8.1 R39_b9.1 R39_b10.1 R39_b11.1 R39_b12.1 R39_b13.1 R39_b14.1 R39_b15.1 R39_b16.1 R39_b17.1 R40.2 R40_b2.2 R40_b3.2 R40_b4.2 R40_b5.2 R40_b6.2 R40_b7.2 R40_b8.2 R40_b9.2 R40_b10.2 R40_b11.2 R40_b12.2 R40_b13.2 R40_b14.2 R40_b15.2 R40_b16.2 R40_b17.2 R41.2 R41_b2.2 R41_b3.2 R41_b4.2 R41_b5.2 R41_b6.2 R41_b7.2 R41_b8.2 R41_b9.2 R41_b10.2 R41_b11.2 R41_b12.2 R41_b13.2 R41_b14.2 R41_b15.2 R41_b16.2 R41_b17.2 R42.2 R42_b2.2 R42_b3.2 R42_b4.2 R42_b5.2 R42_b6.2 R42_b7.2 R42_b8.2 R42_b9.2 R42_b10.2 R42_b11.2 R42_b12.2 R42_b13.2 R42_b14.2 R42_b15.2 R42_b16.2 R42_b17.2 | length 30500.4
  Top Layer w12: v1@1113.99,698.8 R39_b5.1@1172,698.8 ; v1@1113.99,1775.8 R39_b4.1@1172,1775.8 ; v1@1113.99,2853.8 R39_b3.1@1172,2853.8 ; v1@1113.99,3932.8 R39_b2.1@1172,3932.8 ; v1@1113.99,5010.8 R39.1@1172,5010.8 ; v1(1119.25,165.54) R41_b5.2@1170.74,165.54 ; v1(1119.25,1242.54) R41_b4.2@1170.74,1242.54 ; v1(1119.25,2320.54) R41_b3.2@1170.74,2320.54 ; v1(1119.25,3399.54) R41_b2.2@1170.74,3399.54 ; v1(1119.25,4477.54) R41.2@1170.74,4477.54 ; v1(3676,20) 3954,298 4028,298 4061,265 4061,179.79 v1(4077.25,163.54) R41_b13.2@4128.74,163.54 ; v1@4071.99,696.8 R39_b13.1@4130,696.8 ; v1@4071.99,1775.8 R39_b12.1@4130,1775.8 ; v1@4071.99,2854.8 R39_b11.1@4130,2854.8 ; v1@4071.99,3932.8 R39_b10.1@4130,3932.8 ; v1(4077.25,1242.54) R41_b12.2@4128.74,1242.54 ; v1(4077.25,2321.54) R41_b11.2@4128.74,2321.54 ; v1(4077.25,3399.54) R41_b10.2@4128.74,3399.54 ; v1@6083.24,696.8 R39_b9.1@6141.25,696.8 ; v1@6083.24,1775.8 R39_b8.1@6141.25,1775.8 ; v1@6083.24,2854.8 R39_b7.1@6141.25,2854.8 ; v1@6083.24,3932.8 R39_b6.1@6141.25,3932.8 ; v1(6088.5,163.54) R41_b9.2@6139.99,163.54 ; v1(6088.5,1242.54) R41_b8.2@6139.99,1242.54 ; v1(6088.5,2321.54) R41_b7.2@6139.99,2321.54 ; v1(6088.5,3399.54) R41_b6.2@6139.99,3399.54 ; v1(8700,21) 8978,299 9110,299 9160,249 v1(9160,165.54) R41_b17.2@9211.49,165.54 ; v1@9154.74,698.8 R39_b17.1@9212.75,698.8 ; v1@9154.74,1776.8 R39_b16.1@9212.75,1776.8 ; v1@9154.74,2854.8 R39_b15.1@9212.75,2854.8 ; v1@9154.99,3932.8 R39_b14.1@9213,3932.8 ; v1(9160,1243.54) R41_b16.2@9211.49,1243.54 ; v1(9160,2321.54) R41_b15.2@9211.49,2321.54 ; v1(9160.25,3399.54) R41_b14.2@9211.74,3399.54
  Top Layer w15: v1(1113.25,699.54) v1@1113.99,698.8 ; v1(1113.25,1776.54) v1@1113.99,1775.8 ; v1(1113.25,2854.54) v1@1113.99,2853.8 ; v1(1113.25,3933.54) v1@1113.99,3932.8 ; v1(1113.25,5011.54) v1@1113.99,5010.8 ; R41_b5.2@1170.74,165.54 R41_b5.2@1171,165.8 R42_b5.2@1251,165.8 ; R41_b4.2@1170.74,1242.54 R41_b4.2@1171,1242.8 R42_b4.2@1251,1242.8 ; R41_b3.2@1170.74,2320.54 R41_b3.2@1171,2320.8 R42_b3.2@1251,2320.8 ; R41_b2.2@1170.74,3399.54 R41_b2.2@1171,3399.8 R42_b2.2@1251,3399.8 ; R41.2@1170.74,4477.54 R41.2@1171,4477.8 R42.2@1251,4477.8 ; R39_b5.1@1172,698.8 R40_b5.2@1253,698.8 ; R39_b4.1@1172,1775.8 R40_b4.2@1253,1775.8 ; R39_b3.1@1172,2853.8 R40_b3.2@1253,2853.8 ; R39_b2.1@1172,3932.8 R40_b2.2@1253,3932.8 ; R39.1@1172,5010.8 R40.2@1253,5010.8 ; v1(4071.25,697.54) v1@4071.99,696.8 ; v1(4071.25,1776.54) v1@4071.99,1775.8 ; v1(4071.25,2855.54) v1@4071.99,2854.8 ; v1(4071.25,3933.54) v1@4071.99,3932.8 ; R41_b13.2@4128.74,163.54 R41_b13.2@4129,163.8 R42_b13.2@4209,163.8 ; R41_b12.2@4128.74,1242.54 R41_b12.2@4129,1242.8 R42_b12.2@4209,1242.8 ; R41_b11.2@4128.74,2321.54 R41_b11.2@4129,2321.8 R42_b11.2@4209,2321.8 ; R41_b10.2@4128.74,3399.54 R41_b10.2@4129,3399.8 R42_b10.2@4209,3399.8 ; R39_b13.1@4130,696.8 R40_b13.2@4211,696.8 ; R39_b12.1@4130,1775.8 R40_b12.2@4211,1775.8 ; R39_b11.1@4130,2854.8 R40_b11.2@4211,2854.8 ; R39_b10.1@4130,3932.8 R40_b10.2@4211,3932.8 ; v1(6082.5,697.54) v1@6083.24,696.8 ; v1(6082.5,1776.54) v1@6083.24,1775.8 ; v1(6082.5,2855.54) v1@6083.24,2854.8 ; v1(6082.5,3933.54) v1@6083.24,3932.8 ; R41_b9.2@6139.99,163.54 R41_b9.2@6140.25,163.8 R42_b9.2@6220.25,163.8 ; R41_b8.2@6139.99,1242.54 R41_b8.2@6140.25,1242.8 R42_b8.2@6220.25,1242.8 ; R41_b7.2@6139.99,2321.54 R41_b7.2@6140.25,2321.8 R42_b7.2@6220.25,2321.8 ; R41_b6.2@6139.99,3399.54 R41_b6.2@6140.25,3399.8 R42_b6.2@6220.25,3399.8 ; R39_b9.1@6141.25,696.8 R40_b9.2@6222.25,696.8 ; R39_b8.1@6141.25,1775.8 R40_b8.2@6222.25,1775.8 ; R39_b7.1@6141.25,2854.8 R40_b7.2@6222.25,2854.8 ; R39_b6.1@6141.25,3932.8 R40_b6.2@6222.25,3932.8 ; v1(9154,699.54) v1@9154.74,698.8 ; v1(9154,1777.54) v1@9154.74,1776.8 ; v1(9154,2855.54) v1@9154.74,2854.8 ; v1(9154.25,3933.54) v1@9154.99,3932.8 ; R41_b17.2@9211.49,165.54 R41_b17.2@9211.75,165.8 R42_b17.2@9291.75,165.8 ; R41_b16.2@9211.49,1243.54 R41_b16.2@9211.75,1243.8 R42_b16.2@9291.75,1243.8 ; R41_b15.2@9211.49,2321.54 R41_b15.2@9211.75,2321.8 R42_b15.2@9291.75,2321.8 ; R41_b14.2@9211.74,3399.54 R41_b14.2@9212,3399.8 R42_b14.2@9292,3399.8 ; R39_b17.1@9212.75,698.8 R40_b17.2@9293.75,698.8 ; R39_b16.1@9212.75,1776.8 R40_b16.2@9293.75,1776.8 ; R39_b15.1@9212.75,2854.8 R40_b15.2@9293.75,2854.8 ; R39_b14.1@9213,3932.8 R40_b14.2@9294,3932.8
  Bottom Layer w12: v1(1113.25,5011.54) 1139.25,4985.54 1139.25,4497.54 v1(1119.25,4477.54) 1100,4458.28 1100,3946.79 v1(1113.25,3933.54) 1139.25,3907.54 1139.25,3419.54 v1(1119.25,3399.54) 1094,3374.28 1094,2873.79 v1(1113.25,2854.54) 1139.25,2828.54 1139.25,2340.54 v1(1119.25,2320.54) 1098,2299.28 1098,1791.79 v1(1113.25,1776.54) 1139.25,1750.54 1139.25,1262.54 v1(1119.25,1242.54) 1102,1225.28 1102,710.79 v1(1113.25,699.54) 1139.25,673.54 1139.25,185.54 v1(1119.25,165.54) 1100,146.28 1100,89 1169,20 v1(3676,20) 5944.97,20 ; v1(4071.25,3933.54) 4097.25,3907.54 4097.25,3419.54 v1(4077.25,3399.54) 4060,3382.28 4060,2866.79 v1(4071.25,2855.54) 4097.25,2829.54 4097.25,2341.54 v1(4077.25,2321.54) 4058,2302.28 4058,1789.79 v1(4071.25,1776.54) 4097.25,1750.54 4097.25,1262.54 v1(4077.25,1242.54) 4057,1222.28 4057,711.79 v1(4071.25,697.54) 4097.25,671.54 4097.25,183.54 v1(4077.25,163.54) ; v1(6082.5,3933.54) 6108.5,3907.54 6108.5,3419.54 v1(6088.5,3399.54) 6066.97,3378 6066.97,2871.07 v1(6082.5,2855.54) 6108.5,2829.54 6108.5,2341.54 v1(6088.5,2321.54) 6071,2304.03 6071,1788.04 v1(6082.5,1776.54) 6108.5,1750.54 6108.5,1262.54 v1(6088.5,1242.54) 6068,1222.03 6068,712.04 v1(6082.5,697.54) 6108.5,671.54 6108.5,183.54 v1(6088.5,163.54) 5944.97,20 ; v1@8700,20 5944.97,20 ; v1(9154.25,3933.54) 9180.25,3907.54 9180.25,3419.54 v1(9160.25,3399.54) 9139,3378.28 9139,2870.54 v1(9154,2855.54) 9180,2829.54 9180,2341.54 v1(9160,2321.54) 9143,2304.54 9143,1788.54 v1(9154,1777.54) 9180,1751.54 9180,1263.54 v1(9160,1243.54) 9138,1221.54 9138,715.54 v1(9154,699.54) 9180,673.54 9180,185.54 v1(9160,165.54)
pads on no net: J1.3
copper on no net: | length 1523.2
  Top Layer w12: 1769.87,3628.05 1769.87,3680.54 1777.87,3688.54 1814.87,3688.54 1819.87,3683.54 1819.87,3628.05 1819.87,3572.54 1847.25,3545.15 1847.25,3481.18 1847.25,3427.92 1796.07,3376.74 1796.07,3311.89 ; v1(1795.87,3556.54) 1821.66,3530.74 1821.66,3481.18 ; v1(1804.87,3249.54) 1821.66,3266.33 1821.66,3311.89 1822.39,3312.62 ; 1819.87,3837.02 v1(1819.87,3898.54) 1837.87,3916.54 1852.87,3916.54 1869.87,3899.54 1869.87,3837.02
  Bottom Layer w12: v1(1804.87,3249.54) 1795.87,3258.54 v1(1795.87,3556.54) 1795.87,3880.54 1813.87,3898.54 v1(1819.87,3898.54)
  other v4: -78.74,0 -78.74,5472.44

## Keep-outs
Keep-Out Layer:
  lines w10: -93.94,5644.99 ccw(c-93,5456.99) -281,5458 -277.83,-544.98 13122,-542.66 13122,5645 11561.03,5645 -93,5645

## Dimensions
-854,5644 to -879,-200 on Keep-Out Layer
-284.45,-846 to 10140,-915 on Keep-Out Layer